# Altium PCB PCB2.PcbDoc (part 1 of 2)
Units mm, origin at the board's own origin, x right, y up, seen from the top; angles counter-clockwise.
Board outline 426.42 x 149.73 mm, 2 copper layers (Top Layer, Bottom Layer); 144 components, 61 nets, 325 pads, 1550 vias.
Unrouted connection lines stored in the file: 2.
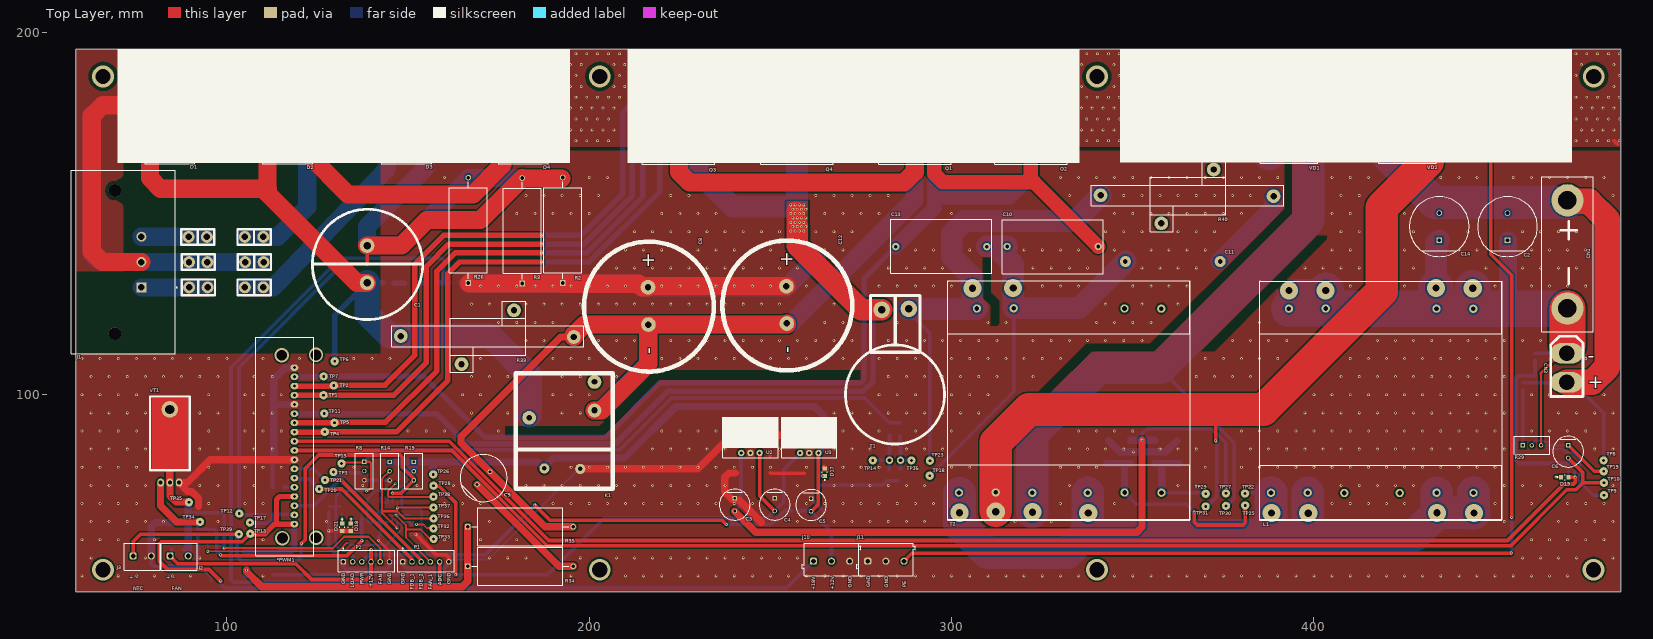
[diagram p0: Top Layer view]
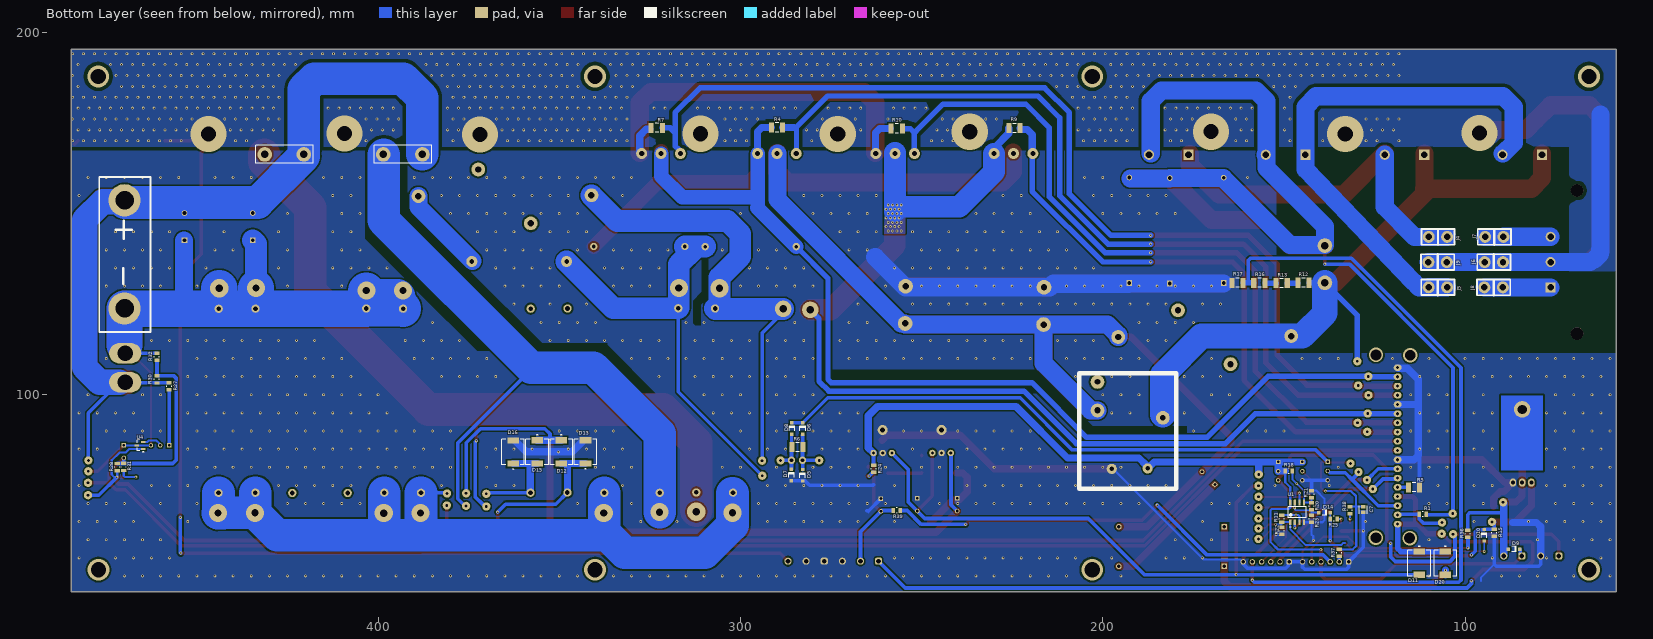
[diagram p1: Bottom Layer view, seen from below]
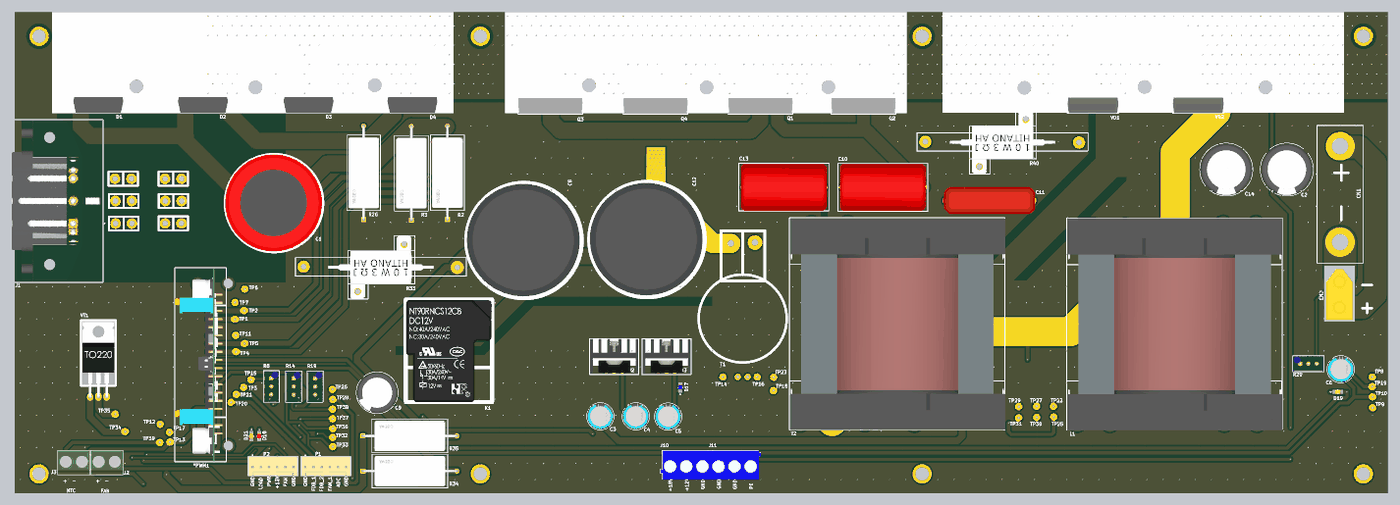
[diagram p3: 3D render of the assembled board from above, using the file's embedded part models]
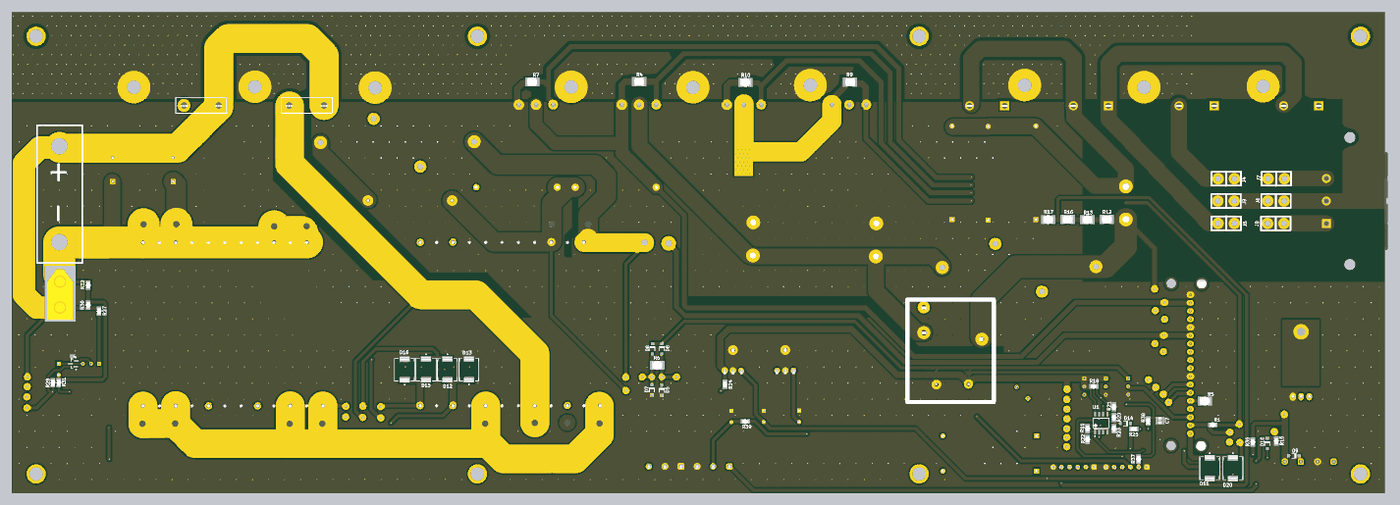
[diagram p4: 3D render of the assembled board from below, using the file's embedded part models]

## Layer stack, top to bottom
Top Solder: solder mask 0.0102, Solder Resist, Dk 3.5
Top Layer: signal copper 0.0356
Dielectric 1: dielectric 0.32, FR-4, Dk 4.8
Bottom Layer: signal copper 0.0356
Bottom Solder: solder mask 0.0102, Solder Resist, Dk 3.5

## Board outline
58.293,45.669 58.293,195.402 484.708,195.402 484.708,45.669

## Design rules (kind name [scope] priority, off if disabled: settings)
Clearance GND [InNet('GND')] p1: gap=0.5 ignorepadtopadclearanceinfootprint=FALSE
Clearance PE [InNet('PE')] p2: gap=1 ignorepadtopadclearanceinfootprint=FALSE
Clearance Clearance_1 [All] p3: gap=0.254 ignorepadtopadclearanceinfootprint=FALSE
ComponentClearance [All] p1: gap=-10 collisioncheckmode=3 verticalgap=-10 showdistances=FALSE
Height [All] p1: minheight=0 maxheight=68.58 prefheight=12.7
PlaneClearance [InNet('PE')] p1: clearance=5
PlaneConnect [All] p1: planeconnectstyle=Direct reliefexpansion=0.508 reliefentries=4 reliefconductorwidth=0.254 reliefairgap=0.254
PolygonConnect [All] p1: connectstyle=Direct reliefconductorwidth=0.254 reliefentries=4 polygonreliefangle="90 Angle" airgapwidth=0.254
RoomDefinition Sheet1 [InComponentClass('Sheet1')] p1: confinementstyle=ConfineIn formatcopy=TRUE lockcomponents=FALSE outline 0,0 626.999,0 626.999,336.804 0,336.804
RoutingVias [All] p1: holewidth=0.4 width=0.8 viastyle="Through Hole" minholewidth=0.4 minwidth=0.8 maxholewidth=0.711 maxwidth=1.27
SolderMaskExpansion [All] p1: expansion=0.102 istentingtop=FALSE
Width [All] p1: maxlimit=10 minlimit=0.254 preferedwidth=1 minimp=50.000000 maximp=50.000000 favimp=50.000000
26 further rules are at their usual default settings.

## Components (designator, comment, footprint, x,y, rotation, side; value= is the part's Value field where it differs from the comment)
*PWM1 "PWM_controller" PWM_controller 167.64,92.888 r270 top
C1 "450V_330uF" CAP_450V_330uF 134.239,138.379 r0 top
C2 "EEUFC2A471" FP-RAD-TH-D_16_0_5-L_40_2-MFG 453.415,146.406 r90 top
C3 "UKA1H101MPD1TD" FP-UKA1H101MPD1TD-MFG 240.157,69.672 r270 top
C4 "UKA1H101MPD1TD" FP-UKA1H101MPD1TD-MFG 251.181,69.67 r270 top
C5 "UKA1H101MPD1TD" FP-UKA1H101MPD1TD-MFG 261.214,69.599 r270 top
C6 "UKA1H101MPD1TD" FP-UKA1H101MPD1TD-MFG 470.154,84.305 r270 top
C7 "C0805C104K5RACTU" FP-C0805C-DN-MFG 128.092,68.326 r270 bottom value="0.10 μF"
C8 "450V_330uF" CAP_450V_470uF 216.459,124.333 r90 top
C9 "ECA2WM100" FP-RAD-TH-D_12_5_0_5-L_20-MFG 170.83,77.003 r45 top
C10 "3.3uF_630V" CAP_4.7uF_630V 327.889,140.919 r0 top
C11 "1.5uF_630V" CAP_1.5uf_400V 361.925,140.589 r180 top
C12 "450V_330uF" CAP_450V_470uF 254.66,124.638 r90 top
C13 "3.3uF_630V" CAP_4.7uF_630V 297.155,140.894 r180 top
C14 "EEUFC2A471" FP-RAD-TH-D_16_0_5-L_40_2-MFG 434.594,146.406 r90 top
CN1 "BAT_CON" Batarey_connector 470.459,154.178 r270 top
CN3 "BAT_CON" FP-PRT-10474-MFG 469.773,107.518 r0 top
D1 "VS-40EPS12-M3" FP-96144-MFG 84.225,166.47 r90 top
D2 "VS-40EPS12-M3" FP-96144-MFG 116.713,166.47 r90 top
D3 "VS-40EPS12-M3" FP-96144-MFG 149.543,166.47 r90 top
D4 "VS-40EPS12-M3" FP-96144-MFG 181.787,166.471 r90 top
D5 "1N4148W-7-F" DIOD-SOD123-2_V 282.829,77.775 r90 bottom
D6 "1N4148W-7-F" DIOD-SOD123-2_V 282.804,90.703 r90 bottom
D7 "1N4148W-7-F" DIOD-SOD123-2_V 285.902,77.876 r90 bottom
D8 "1N4148W-7-F" DIOD-SOD123-2_V 285.775,90.678 r90 bottom
D9 "1N4148W-7-F" DIOD-SOD123-2_V 86.487,57.404 r180 bottom
D10 "1N4148W-7-F" DIOD-SOD123-2_V 94.742,61.214 r90 bottom
D11 "ES3D-E3/57T" FP-95402-MFG 112.649,53.518 r270 bottom value=45pF
D12 "ES3D-E3/57T" FP-95402-MFG 349.428,84.231 r270 bottom value=45pF
D13 "ES3D-E3/57T" FP-95402-MFG 342.748,84.231 r90 bottom value=45pF
D14 "1N4148W-7-F" DIOD-SOD123-2_V 138.786,67.462 r180 bottom
D15 "ES3D-E3/57T" FP-95402-MFG 356.057,84.231 r270 bottom value=45pF
D16 "ES3D-E3/57T" FP-95402-MFG 362.737,84.206 r90 bottom value=45pF
D17 "151031YS06000" LED_BLUE 265.024,78.638 r90 top
D18 "151031YS06000" Wurth_Electronics_0_MFG 134.214,63.449 r270 top
D19 "151031YS06000" LED_Yellow 469.24,77.267 r0 top
D20 "ES3D-E3/57T" FP-95402-MFG 105.435,53.518 r270 bottom value=45pF
D21 "151031YS06000" LED_GREEN 131.801,63.475 r270 top
J1 "703W-00/52" FP-703W-00-52-MFG 71.347,136.627 r270 top
J2 "691137710002" 691137710002 86.828,55.283 r0 top
J3 "691137710002" 691137710002 76.632,55.283 r0 top
J4 "Klema_15_A" Klema_PCB_15A 107.493,143.561 r0 bottom
J5 "Klema_15_A" Klema_PCB_15A 107.518,129.667 r180 bottom
J6 "Klema_15_A" Klema_PCB_15A 92.075,136.627 r0 bottom
J7 "Klema_15_A" Klema_PCB_15A 91.948,143.561 r180 bottom
J8 "Klema_15_A" Klema_PCB_15A 92.126,129.642 r180 bottom
J9 "Klema_15_A" Klema_PCB_15A 107.569,136.627 r180 bottom
J10 "691101710003" 691101710003 266.856,54.577 r0 top
J11 "691101710003" 691101710003 281.86,54.577 r0 top
K1 "T9AS1D12-48" NT90RNCS12CB 190.144,86.792 r0 top
L1 "750311457" Transformer 321.234,87.046 r0 top
P1 "61900611121" 61900611121 154.889,54.173 r180 top
P2 "61900611121" 61900611121 138.506,54.173 r180 top
Q1 "IGW60T120" TO-264-3 289.916,167.208 r0 top
Q2 "IGW60T120" TO-264-3 321.894,167.208 r0 top
Q3 "IGW60T120" TO-264-3 224.638,167.208 r0 top
Q4 "IGW60T120" TO-264-3 257.302,167.208 r0 top
R1 "470 Ohm" FP-CRCW0805-e3-MFG 111.658,67.005 r0 bottom
R2 "SQP500JB-1R2" FP-SQP500-MFG 192.659,145.415 r90 top value=1.2Ω
R3 "SQP500JB-1R2" FP-SQP500-MFG 181.458,145.263 r90 top value=1.2Ω
R4 "3,3K" FP-CRCW1210-e3-IPC_A 289.89,173.761 r180 bottom
R5 "10K" FP-CRCW1210-e3-IPC_A 114.122,74.422 r0 bottom
R6 "CRCW12100000Z0EA" FP-CRCW1210-e3-IPC_A 284.251,85.547 r180 bottom
R7 "3,3K" FP-CRCW1210-e3-IPC_A 323.066,173.663 r180 bottom
R8 "3296W-1-202LF" Bourns_3296W_MFG 137.952,78.969 r180 top
R9 "3,3K" FP-CRCW1210-e3-IPC_A 224.358,173.584 r180 bottom
R10 "3,3K" FP-CRCW1210-e3-IPC_A 256.845,173.482 r180 bottom locked
R11 "1M" FP-CRCW0805-e3-MFG 150.571,65.837 r90 bottom
R12 "300K" FP-CRCW1210-e3-IPC_A 144.602,130.912 r180 bottom
R13 "300K" FP-CRCW1210-e3-IPC_A 150.623,130.81 r180 bottom
R14 "3296W-1-202LF" Bourns_3296W_MFG 144.907,78.918 r180 top
R15 "10K" FP-CRCW0805-e3-MFG 91.923,61.925 r90 bottom
R16 "300K" FP-CRCW1210-e3-IPC_A 156.769,130.886 r180 bottom
R17 "1K" FP-CRCW1210-e3-IPC_A 162.815,130.861 r180 bottom
R18 "20K" FP-CRCW0805-e3-MFG 148.641,78.969 r0 bottom
R19 "3296W-1-202LF" Bourns_3296W_MFG 151.592,78.918 r180 top
R20 "1M" FP-CRCW0805-e3-MFG 142.367,69.266 r90 bottom
R21 "20K" FP-CRCW0805-e3-MFG 142.367,72.593 r270 bottom
R22 "10K" FP-CRCW0805-e3-MFG 150.571,62.484 r90 bottom
R23 "10K" FP-CRCW0805-e3-MFG 142.367,65.811 r90 bottom
R24 "10K" FP-CRCW0805-e3-MFG 263.22,79.629 r90 bottom
R25 "10K" FP-CRCW0805-e3-MFG 136.22,65.735 r0 bottom
R26 "SQP500JB-1R2" FP-SQP500-MFG 166.624,145.39 r90 top value=1.2Ω
R27 "51K" FP-CRCW0805-e3-MFG 457.657,102.346 r90 bottom
R28 "510 Ohm" FP-CRCW0805-e3-MFG 471.983,80.061 r90 bottom
R29 "3296W-1-202LF" Bourns_3296W_MFG 460.121,86.035 r270 top
R30 "51K" FP-CRCW0805-e3-MFG 461.01,104.232 r270 bottom
R31 "10K" FP-CRCW0805-e3-MFG 470.154,80.076 r90 bottom
R32 "10K" FP-CRCW0805-e3-MFG 461.01,110.465 r270 bottom
R33 "100 Omh" "10W 3 Ohm" 176.174,118.618 r0 top
R34 "SQP500JB-1R2" FP-SQP500-MFG 181,52.654 r0 top value=1.2Ω
R35 "SQP500JB-1R2" FP-SQP500-MFG 180.974,63.576 r0 top value=1.2Ω
R36 "10K" FP-CRCW0805-e3-MFG 99.238,61.62 r270 bottom
R37 "10K" FP-CRCW0805-e3-MFG 134.722,56.363 r90 bottom
R38 "10K" FP-CRCW0805-e3-MFG 131.775,68.174 r90 bottom
R39 "10K" FP-CRCW0805-e3-MFG 256.869,68.055 r0 bottom
R40 "RES_10W" "10W 3 Ohm" 369.291,157.48 r0 top
T1 "Current_SENS" Current_SENS 286.41,132.588 r0 top
T2 "750311457" Transformer 235.128,87.097 r0 top
TP1 "Test_Point_PCB" Test_Point 126.67,99.873 r270 top
TP2 "Test_Point_PCB" Test_Point 129.515,102.54 r270 top
TP3 "Test_Point_PCB" Test_Point 129.388,78.689 r0 top
TP4 "Test_Point_PCB" Test_Point 127.025,89.789 r270 top
TP5 "Test_Point_PCB" Test_Point 129.667,92.278 r270 top
TP6 "Test_Point_PCB" Test_Point 129.743,109.245 r0 top
TP7 "Test_Point_PCB" Test_Point 126.695,105.08 r0 top
TP8 "Test_Point_PCB" Test_Point 479.933,81.89 r0 top
TP9 "Test_Point_PCB" Test_Point 480.035,72.288 r0 top
TP10 "Test_Point_PCB" Test_Point 480.035,75.717 r90 top
TP11 "Test_Point_PCB" Test_Point 126.873,94.844 r90 top
TP12 "Test_Point_PCB" Test_Point 103.429,67.208 r90 top
TP13 "Test_Point_PCB" Test_Point 106.451,61.671 r90 top
TP14 "Test_Point_PCB" Test_Point 278.257,81.89 r90 top
TP15 "Test_Point_PCB" Test_Point 131.648,81.051 r90 top
TP16 "Test_Point_PCB" Test_Point 288.9,81.89 r90 top
TP17 "Test_Point_PCB" Test_Point 106.35,64.719 r90 top
TP18 "Test_Point_PCB" Test_Point 293.954,77.673 r90 top
TP19 "Test_Point_PCB" Test_Point 479.958,78.867 r90 top
TP20 "Test_Point_PCB" Test_Point 125.451,73.99 r90 top
TP21 "Test_Point_PCB" Test_Point 127.051,76.505 r90 top
TP22 "Test_Point_PCB" Test_Point 380.949,72.771 r90 top
TP23 "Test_Point_PCB" Test_Point 294.005,81.813 r90 top
TP25 "Test_Point_PCB" Test_Point 381.025,69.469 r90 top
TP26 "Test_Point_PCB" Test_Point 156.947,78.029 r90 top
TP27 "Test_Point_PCB" Test_Point 375.691,72.796 r90 top
TP28 "Test_Point_PCB" Test_Point 157.023,74.905 r90 top
TP29 "Test_Point_PCB" Test_Point 370.129,72.669 r90 top
TP30 "Test_Point_PCB" Test_Point 375.717,69.342 r90 top
TP31 "Test_Point_PCB" Test_Point 370.103,69.19 r90 top
TP32 "Test_Point_PCB" Test_Point 157.023,63.119 r90 top
TP33 "Test_Point_PCB" Test_Point 157.048,60.223 r90 top
TP34 "Test_Point_PCB" Test_Point 92.583,64.922 r90 top
TP35 "Test_Point_PCB" Test_Point 89.51,70.333 r90 top
TP36 "Test_Point_PCB" Test_Point 157.048,65.837 r90 top
TP37 "Test_Point_PCB" Test_Point 156.997,68.885 r90 top
TP38 "Test_Point_PCB" Test_Point 156.997,71.882 r90 top
TP39 "Test_Point_PCB" Test_Point 103.302,61.519 r90 top
U1 "LM358DR" FP-D0008A-MFG 146.355,67.564 r90 bottom
U2 "18V" TO-220_Bended_Rad 244.983,86.995 r0 top
U3 "12V" TO-220_Bended_Rad 261.239,86.97 r0 top
U4 "TL431AIL3T" SOT23-3_L 465.684,86.03 r0 bottom
VD1 "MUR4060" TO-247-2 382.422,169.012 r0 top
VD2 "MUR4060" TO-247-2 415.138,169.011 r0 top
VT1 "IRFR3205" TO-220(bend2) 83.998,86.944 r0 top

## Footprints (in the part's own frame and the unit in brackets; to place one, negate y for a bottom-side part, rotate by r counter-clockwise, add the part's x,y. Pads: shape width x height; smd on the part's side, far side on the other; paste and mask are expansions set on the pad)
"10W 3 Ohm" [mil]
  round 150 hole 70: 1(-1110,-95) 2(770,-105) GND(-450,-400) GND(120,185)
  silkscreen extent -1210,-490 880,285, body extent -810,-491 481,285, height 417
61900611121 [mm] "2.54mm Male Locking Header, 6p"
  rrect50% 1.5x1.5 hole 1: 1(6.35,0.3)
  round 1.5 hole 1: 2(3.81,0.3) 3(1.27,0.3) 4(-1.27,0.3) 5(-3.81,0.3) 6(-6.35,0.3)
  silkscreen extent -7.79,-3.52 7.79,2.98, body extent -7.62,-2.9 7.62,2.9, height 11.53
691101710003 [mm] "5,00mm - modular - blue - Horizontal entry with pressure clamp - 12,6mm height - 03p"
  rrect50% 1.95x1.95 hole 1.3: 1(-5,-0.5)
  round 1.95 hole 1.3: 2(0,-0.5) 3(5,-0.5)
  silkscreen extent -8.1,-4.5 8.1,4.5, body extent -8.1,-4.5 8.1,4.5, height 12.65
691137710002 [mm] "Horizontal Cable Entry with Pressure Clamp, pitch 5mm, 02p"
  rrect50% 1.95x1.95 hole 1.3: 1(-2.5,0.25)
  round 1.95 hole 1.3: 2(2.5,0.25)
  silkscreen extent -5,-3.75 5,3.75, body extent -5,-3.75 5,3.75, height 11.6
Batarey_connector [mil]
  round 350 hole 200: 1(20,-20) 2(1195,-20)
  silkscreen extent -235,-300 1450,260
Bourns_3296W_MFG [mm]
  rect 1.2x1.2 hole 0.7 paste-1000 mask+0: 1(0.005,-2.54)
  round 1.2 hole 0.7 paste-1000 mask+0: 2(0.005,0) 3(0.005,2.54)
  silkscreen extent -2.48,-4.89 2.48,4.89, body extent -2.58,-4.99 2.58,4.99, height 0.25
CAP_1.5uf_400V [mil]
  round 120 hole 50: 1(-480,150) 2(550,150)
  body extent -527,-19 595,319, height 695
CAP_4.7uF_630V [mil]
  round 80 hole 40: 1(-495,0) 2(495,0)
  silkscreen extent -550,-295 550,290, body extent -527,-289 527,289, height 1242
CAP_450V_330uF [mil]
  round 160 hole 80: 1(175,-295) 2(175,110)
  silkscreen extent -420,-694 779,504, body extent -420,-690 771,503, height 2065
CAP_450V_470uF [mil]
  round 160 hole 70: 1(-195,5) 2(210,10)
  silkscreen extent -706,-706 706,705, body extent -684,-679 698,703, height 2044
Current_SENS [mil]
  round 180 hole 80: 1(-225,-360) 2(70,-350)
  round 80 hole 40: 3(-140,-1995) 4(-20,-1995)
  silkscreen extent -619,-1818 459,-205, body extent -624,-2012 464,-307, height 265
DIOD-SOD123-2_V [mm] "SOD123, 2-Leads, Body 2.7x1.55mm, Height 1.45mm"
  rect 0.9x0.95 smd: 1(-1.575,0) 2(1.575,0)
  silkscreen extent -0.64,-0.83 0.64,0.77, body extent -1.35,-0.77 1.35,0.77, height 1.45
FP-703W-00-52-MFG [mm]
  rect 2.75x2.75 hole 1.8 paste-1000 mask+0: 1(7,5.05)
  round 2.75 hole 1.8 paste-1000 mask+0: 2(0,5.05) 3(-7,5.05)
  round 3.5 hole 3.5 unplated paste-1000 mask+0: ""(-19.75,-2.25) ""(19.75,-2.25)
  silkscreen extent -25.3,-14.35 25.3,14.93, body extent -25.4,-14.45 25.4,14.45, height 0.25
FP-95402-MFG [mm]
  rect 1.72x3.2 smd paste+0 mask+0: 1(-3.205,0) 2(3.205,0)
  silkscreen extent -4.82,-3.11 3.55,3.11, body extent -3.97,-2.95 3.97,2.95, height 2.62
FP-96144-MFG [mm]
  rect 2.8x2.8 hole 1.85 paste-1000 mask+0: 1(-0.228,5.46)
  round 2.8 hole 1.85 paste-1000 mask+0: 3(-0.228,-5.46)
  silkscreen extent -2.66,-7.94 2.66,8.56, body extent -2.76,-8.04 2.76,8.04, height 0.25
FP-C0805C-DN-MFG [mm]
  rect 0.95x1.35 smd paste+0 mask+0: 1(-0.75,0) 2(0.75,0)
  silkscreen extent -1.1,-1.07 1.1,1.07, body extent -1,-0.63 1,0.63, height 0.88
FP-CRCW0805-e3-MFG [mm]
  rect 0.95x1.45 smd paste+0 mask+0: 1(-0.975,0) 2(0.975,0)
  silkscreen extent -0.13,-0.7 0.13,0.7, body extent -1,-0.63 1,0.63, height 0.5
FP-CRCW1210-e3-IPC_A [mm]
  rect 1.405x2.806 smd paste+0 mask+0: 1(-1.551,0) 2(1.551,0)
  silkscreen extent -0.47,-1.25 0.47,1.25, body extent -1.6,-1.25 1.6,1.25, height 0.6
FP-D0008A-MFG [mm]
  rrect17% 1.55x0.6 smd paste+0 mask+0: 1(-2.7,1.905) 2(-2.7,0.635) 3(-2.7,-0.635) 4(-2.7,-1.905) 5(2.7,-1.905) 6(2.7,-0.635) 7(2.7,0.635) 8(2.7,1.905)
  silkscreen extent -4.17,-2.5 1.5,2.5, body extent -3,-2.45 3,2.45, height 1.75
FP-PRT-10474-MFG [mil]
  oval 350x220 hole 170: 1(0,-160) 2(0,155)
  silkscreen extent -175,-315 175,340, body extent -160,-310 160,310, height 1437
FP-RAD-TH-D_12_5_0_5-L_20-MFG [mm]
  rect 1.3x1.3 hole 0.8 paste-1000 mask+0: 1(-2.5,0)
  round 1.3 hole 0.8 paste-1000 mask+0: 2(2.5,0)
  silkscreen extent -6.5,-6.5 6.5,6.5, body extent -6.6,-6.6 6.6,6.6, height 0.25
FP-RAD-TH-D_16_0_5-L_40_2-MFG [mm]
  rect 1.55x1.55 hole 1 paste-1000 mask+0: 1(-3.75,0)
  round 1.55 hole 1 paste-1000 mask+0: 2(3.75,0)
  silkscreen extent -8.25,-8.25 8.25,8.25, body extent -8.35,-8.35 8.35,8.35, height 0.25
FP-SQP500-MFG [mm]
  rect 1.55x1.55 hole 1 paste-1000 mask+0: 1(-14.555,0)
  round 1.55 hole 1 paste-1000 mask+0: 2(14.555,0)
  silkscreen extent -13.38,-5.25 13.38,5.25, body extent -15.43,-5.35 15.43,5.35, height 0.25
FP-UKA1H101MPD1TD-MFG [mm]
  rect 1.25x1.25 hole 0.75 paste-1000 mask+0: 1(-1.75,0)
  round 1.25 hole 0.75 paste-1000 mask+0: 2(1.75,0)
  silkscreen extent -4.25,-4.25 4.25,4.25, body extent -4.35,-4.35 4.35,4.35, height 0.25
Klema_PCB_15A [mil]
  round 130 hole 70: 1(-100,0) 1(100,0)
  silkscreen extent -180,-85 180,85, body extent -161,-16 161,16, height 129
LED_BLUE [mm]
  rect 1.1x1.2 smd paste+0 mask+0: 1(-1.05,0) 2(1.05,0)
  silkscreen extent -2.27,-0.67 0.13,0.67, body extent -1,-0.63 1,0.63, height 0.8
LED_GREEN [mm]
  rect 1.1x1.2 smd paste+0 mask+0: 1(-1.05,0) 2(1.05,0)
  silkscreen extent -2.27,-0.67 0.13,0.67, body extent -1,-0.63 1,0.63, height 0.8
LED_Yellow [mm]
  rect 1.1x1.2 smd paste+0 mask+0: 1(-1.05,0) 2(1.05,0)
  silkscreen extent -2.27,-0.67 0.13,0.67, body extent -1,-0.63 1,0.63, height 0.8
NT90RNCS12CB [mil]
  round 150 hole 70: 1(445,350)
  round 150 hole 60: 2(-265,270) 6(445,660)
  round 110 hole 50: 3(-100,-280) 4(290,-285)
  silkscreen extent -410,-500 650,755, body extent -408,-499 640,749, height 157
PWM_controller [mil]
  oval 70x85 hole 35: 1(1125,-1930) 2(1025,-1930) 3(925,-1930) 4(825,-1930) 5(725,-1930) 6(625,-1930) 7(525,-1930) 8(425,-1930) 9(325,-1930) 10(225,-1930) 11(125,-1930) 12(25,-1930) 13(-75,-1930) 14(-175,-1930) 15(-275,-1930) 16(-375,-1930) 17(-475,-1930) 18(-575,-1930)
  silkscreen extent -905,-2350 1470,-1720, body extent -896,-2352 1466,-1720, height 2330
SOT23-3_L [mm] "SOT23, 3-Leads, Body 2.9x1.3mm, Pitch 0.95mm, Lead Span 2.4mm, IPC High Density"
  rect 1.2x0.6 smd: 1(-0.9,0.95) 2(-0.9,-0.95) 3(0.9,0)
  silkscreen extent -1.02,-1.5 0.7,1.92, body extent -0.7,-1.52 0.7,1.52, height 1.12
Test_Point [mil]
  round 90 hole 30 unplated paste+4 mask+4: 1(0,0)
TO-220(bend2) [mil]
  oval 70x90 hole 45: D(10,-440) G(-90,-440) S(110,-440)
  round 180 hole 100: D(10,355)
  Top Layer region: -190,-300 210,-300 210,480 -190,480
  Bottom Layer region: -215,-310 240,-310 240,505 -215,505
  silkscreen extent -205,-305 225,495, body extent -185,-446 208,476, height 179
TO-220_Bended_Rad [mil]
  round 70 hole 35: 1(-120,-120) 2(-20,-120) 3(80,-120)
  round 110 hole 55: 2(-20,130)
  silkscreen extent -320,-170 280,270, body extent -315,-165 275,265, height 997
TO-247-2 [mil]
  round 160 hole 80: 1(210,-105) 2(635,-105)
  silkscreen extent 110,-200 735,-5, body extent 113,-202 735,-5, height 1200
TO-264-3 [mil]
  round 120 hole 55: 1(-210,-25) 2(0,-25) 3(210,-25)
  silkscreen extent -395,-140 395,60, body extent -394,-138 394,59, height 1262
Transformer [mil]
  round 90 hole 50: 1(2829,1446) 2(3229,1448) 3(4432,1446) 4(4832,1444) 5(2634,-555) 6(3033,-553) 7(4433,-554) 8(4834,-556) 9(3431,-557) 10(4032,-557)
  silkscreen extent 2511,-854 5146,1747, body extent 2515,-858 5149,1744, height 2024
Wurth_Electronics_0_MFG [mm]
  rect 1.1x1.2 smd paste+0 mask+0: 1(-1.05,0) 2(1.05,0)
  silkscreen extent -2.27,-0.67 0.13,0.67, body extent -1,-0.63 1,0.63, height 0.8

## Part data
C1 C8 C12: library part CAP_450V_330uF
C2 C14: library part CMP-05427-000270-1, "Aluminum Electrolytic Capacitors (Radial Lead Type) AEC-Q200 Qualified 470uF ±20% 100V", Capacitance=470uF, Case/Package=Radial, Dielectric Material=Aluminium, ESR (Equivalent Series Resistance)=47mR, Leakage Current=3uA, Max Operating Temperature=105°C, Min Operating Temperature=-55°C, Package Quantity=100, Ratings=AEC-Q200, Ripple Current=1.92A, Tolerance=20%, Voltage=100V, Construction=RADIAL, Contact Plating=Tin, Diameter=16mm, Height=40mm, Height - Seated (Max)=1.575inch, Impedance=47mR, Lead Diameter=0.8mm, Lead Free="Lead Free", Lead Pitch=7.5mm, Length=40mm, Life (Hours)=5000Hour, Mount="Through Hole", Packaging=Bulk, Polarity=Polar, Radiation Hardening=No, REACH SVHC="No SVHC", RoHS Compliant=Yes, Series=FC, Termination=Radial, Voltage Rating=100V, Voltage Rating (DC)=100V
C3 C4 C5 C6: library part CMP-12462-000027-1, "CAP ALUM 100UF 20% 50V RADIAL", Capacitance=100uF, Case/Package=Radial, Leakage Current=4uA, Max Operating Temperature=105°C, Min Operating Temperature=-55°C, Package Quantity=1, Ripple Current=190mA, Tolerance=20%, Voltage Rating=50V, Diameter=8mm, Height=11.5mm, Height - Seated (Max)=0.512inch, Lead Pitch=3.5mm, Length=11.5mm, Life (Hours)=2000Hour, Mount="Through Hole", Packaging="Tape and Reel", REACH SVHC="No SVHC", Series=KA, Termination=Radial, Voltage Rating (DC)=50V
C7: library part CMP-2007-00279-2, "CAP CER 0.1UF 50V X7R 0805", Capacitance="0.10 μF", Manufacturer=KEMET, Package=C0805C-DN, Temperature="-55°C to +125°C", Temperature Characteristic=X7R, Temperature Coefficient=30ppm/°C, Temperature Range High=+125°C, Temperature Range Low=-55°C, Tolerance=0.1, Voltage Rating="50 V", Automotive=No, Category=Cap, ComponentLink2Description=Datasheet, ComponentLink2URL=https://content.kemet.com/datasheets/KEM_C1003_C0G_SMD.pdf, Device Class L1="Passive Components", Device Class L2=Capacitors, Device Class L3="Ceramic Capacitors", Digikey Description="CAP CER 0.1UF 50V X7R 0805", Height=0.88mm, Ipc Land Pattern Name=CAPC200125X78, Lead Free=Yes, Manufacturer Part Number=C0805C104K5RACTU, Material=Ceramic, Mouser Description="Cap Ceramic 0.1uF 50V X7R 10% SMD 2.0 x 1.2 mm 125 C Paper T/R", Octopart=https://octopart.com/c0805c104k5ractu-kemet-143926, RoHS=TRUE
C9: library part CMP-05427-001155-1, "Aluminum Electrolytic Capacitors (Radial Lead Type) 10uF ±20% 450V", Capacitance=10uF, Case/Package=Radial, Dielectric Material=Aluminium, Leakage Current=10uA, Max Operating Temperature=85°C, Min Operating Temperature=-25°C, Package Quantity=200, Ripple Current=130mA, Tolerance=20%, Voltage=450V, Construction=RADIAL, Diameter=12.5mm, Dissipation Factor=0.2%, Height=20mm, Height - Seated (Max)=0.866inch, Lead Diameter=0.6mm, Lead Free="Lead Free", Lead Pitch=5mm, Lead/Base Style=Straight, Length=20mm, Life (Hours)=2000Hour, Mount="Through Hole", Number of Pins=2, Packaging=Bulk, Polarity=Polar, Radiation Hardening=No, REACH SVHC="No SVHC", Ripple Current (AC)=130mA, RoHS Compliant=Yes, Series=M, Termination=Radial, Voltage Rating=450V, Voltage Rating (DC)=450V
C11: library part 3.3uF_630V
CN1 CN3: "Batarey_connection"
D1 D2 D3 D4: library part CMP-02540-000097-1, "DIODE GP 1.2KV 40A TO247AC", Average Rectified Current=40A, Case/Package=TO-247-2, Max Reverse Voltage (DC)=1.2kV, Mount="Through Hole", Packaging=Rail/Tube, RoHS Compliant=Yes, Series=-
D5 D6 D7 D8 D9 D10 D14: library part CMP-2000-04932-2, "Fast Switching Diode, 100 V, 0.15 A, -65 to 150 degC, 2-Pin?SOD123, RoHS, Tape and Reel", If - Forward Current=0.15A, Ir - Reverse Current=1uA, Manufacturer=DiodesIncorporated, Max Surge Current=2A, Maximum Operating Temperature=+150C, Minimum Operating Temperature=-65C, Operating Temperature Range=-65Cto+150C, Package / Case=SOD-123, Package Reference=SOD123-2, Peak Reverse Voltage=100V, Vf - Forward Voltage=1.25V, Brand=DiodesIncorporated, Configuration=Single, Datasheet URL=http://www.farnell.com/datasheets/1915529.pdf, Datasheet Version="Rev. 24-2, 10/2013", Factory Pack Quantity=3000, Height=1.25mm, Length=2.85mm, Manufacturer URL=http://www.diodes.com/, Mounting Style=SMD/SMT, Package URL=http://www.diodes.com/datasheets/ds18004.pdf, Packaging=Reel, Product=SwitchingDiodes, Product Category=Diodes-GeneralPurpose,Power,Switching, Recovery Time=4ns, RoHS=True, Series=1N4148, Type=SwitchingDiode, Unit Weight=0.000353oz, Width=1.7mm
D11 D12 D13 D15 D16 D20: library part CMP-02540-000021-1, "DIODE GEN PURP 200V 3A DO214AB", Capacitance=45pF, Forward Current=3A, Manufacturer=Vishay, Max Junction Temp=+150°C, Max Repetitive Reverse Voltage=200V, Max Surge Forward Current=100A, Package=95402, Peak Reverse Current=10uA, Temperature="-55°C to +150°C", Temperature Range Low=-55°C, Automotive=No, Category=Diode, ComponentLink2Description=Datasheet, ComponentLink2URL=http://www.vishay.com/docs/88589/es3.pdf, Device Class L1="Discrete Semiconductors", Device Class L2=Diodes, Device Class L3="Rectifier Diodes", Digikey Description="DIODE GEN PURP 200V 3A DO214AB", Footprint Url=https://www.vishay.com/docs/95402/smc.pdf, Height=2.62mm, Lead Free=Yes, Manufacturer Part Number=ES3D-E3/57T, Mouser Description="Rectifiers 3.0 Amp 200V 20ns", Octopart=https://octopart.com/es3d-e3%2F57t-vishay-39550290, Reverse Voltage=200V, RoHS=TRUE, Standoff Height=0mm, Temperature Range High=+150°C